# Altium PCB novena_evt1_a.PcbDoc (part 1 of 12) (continued)
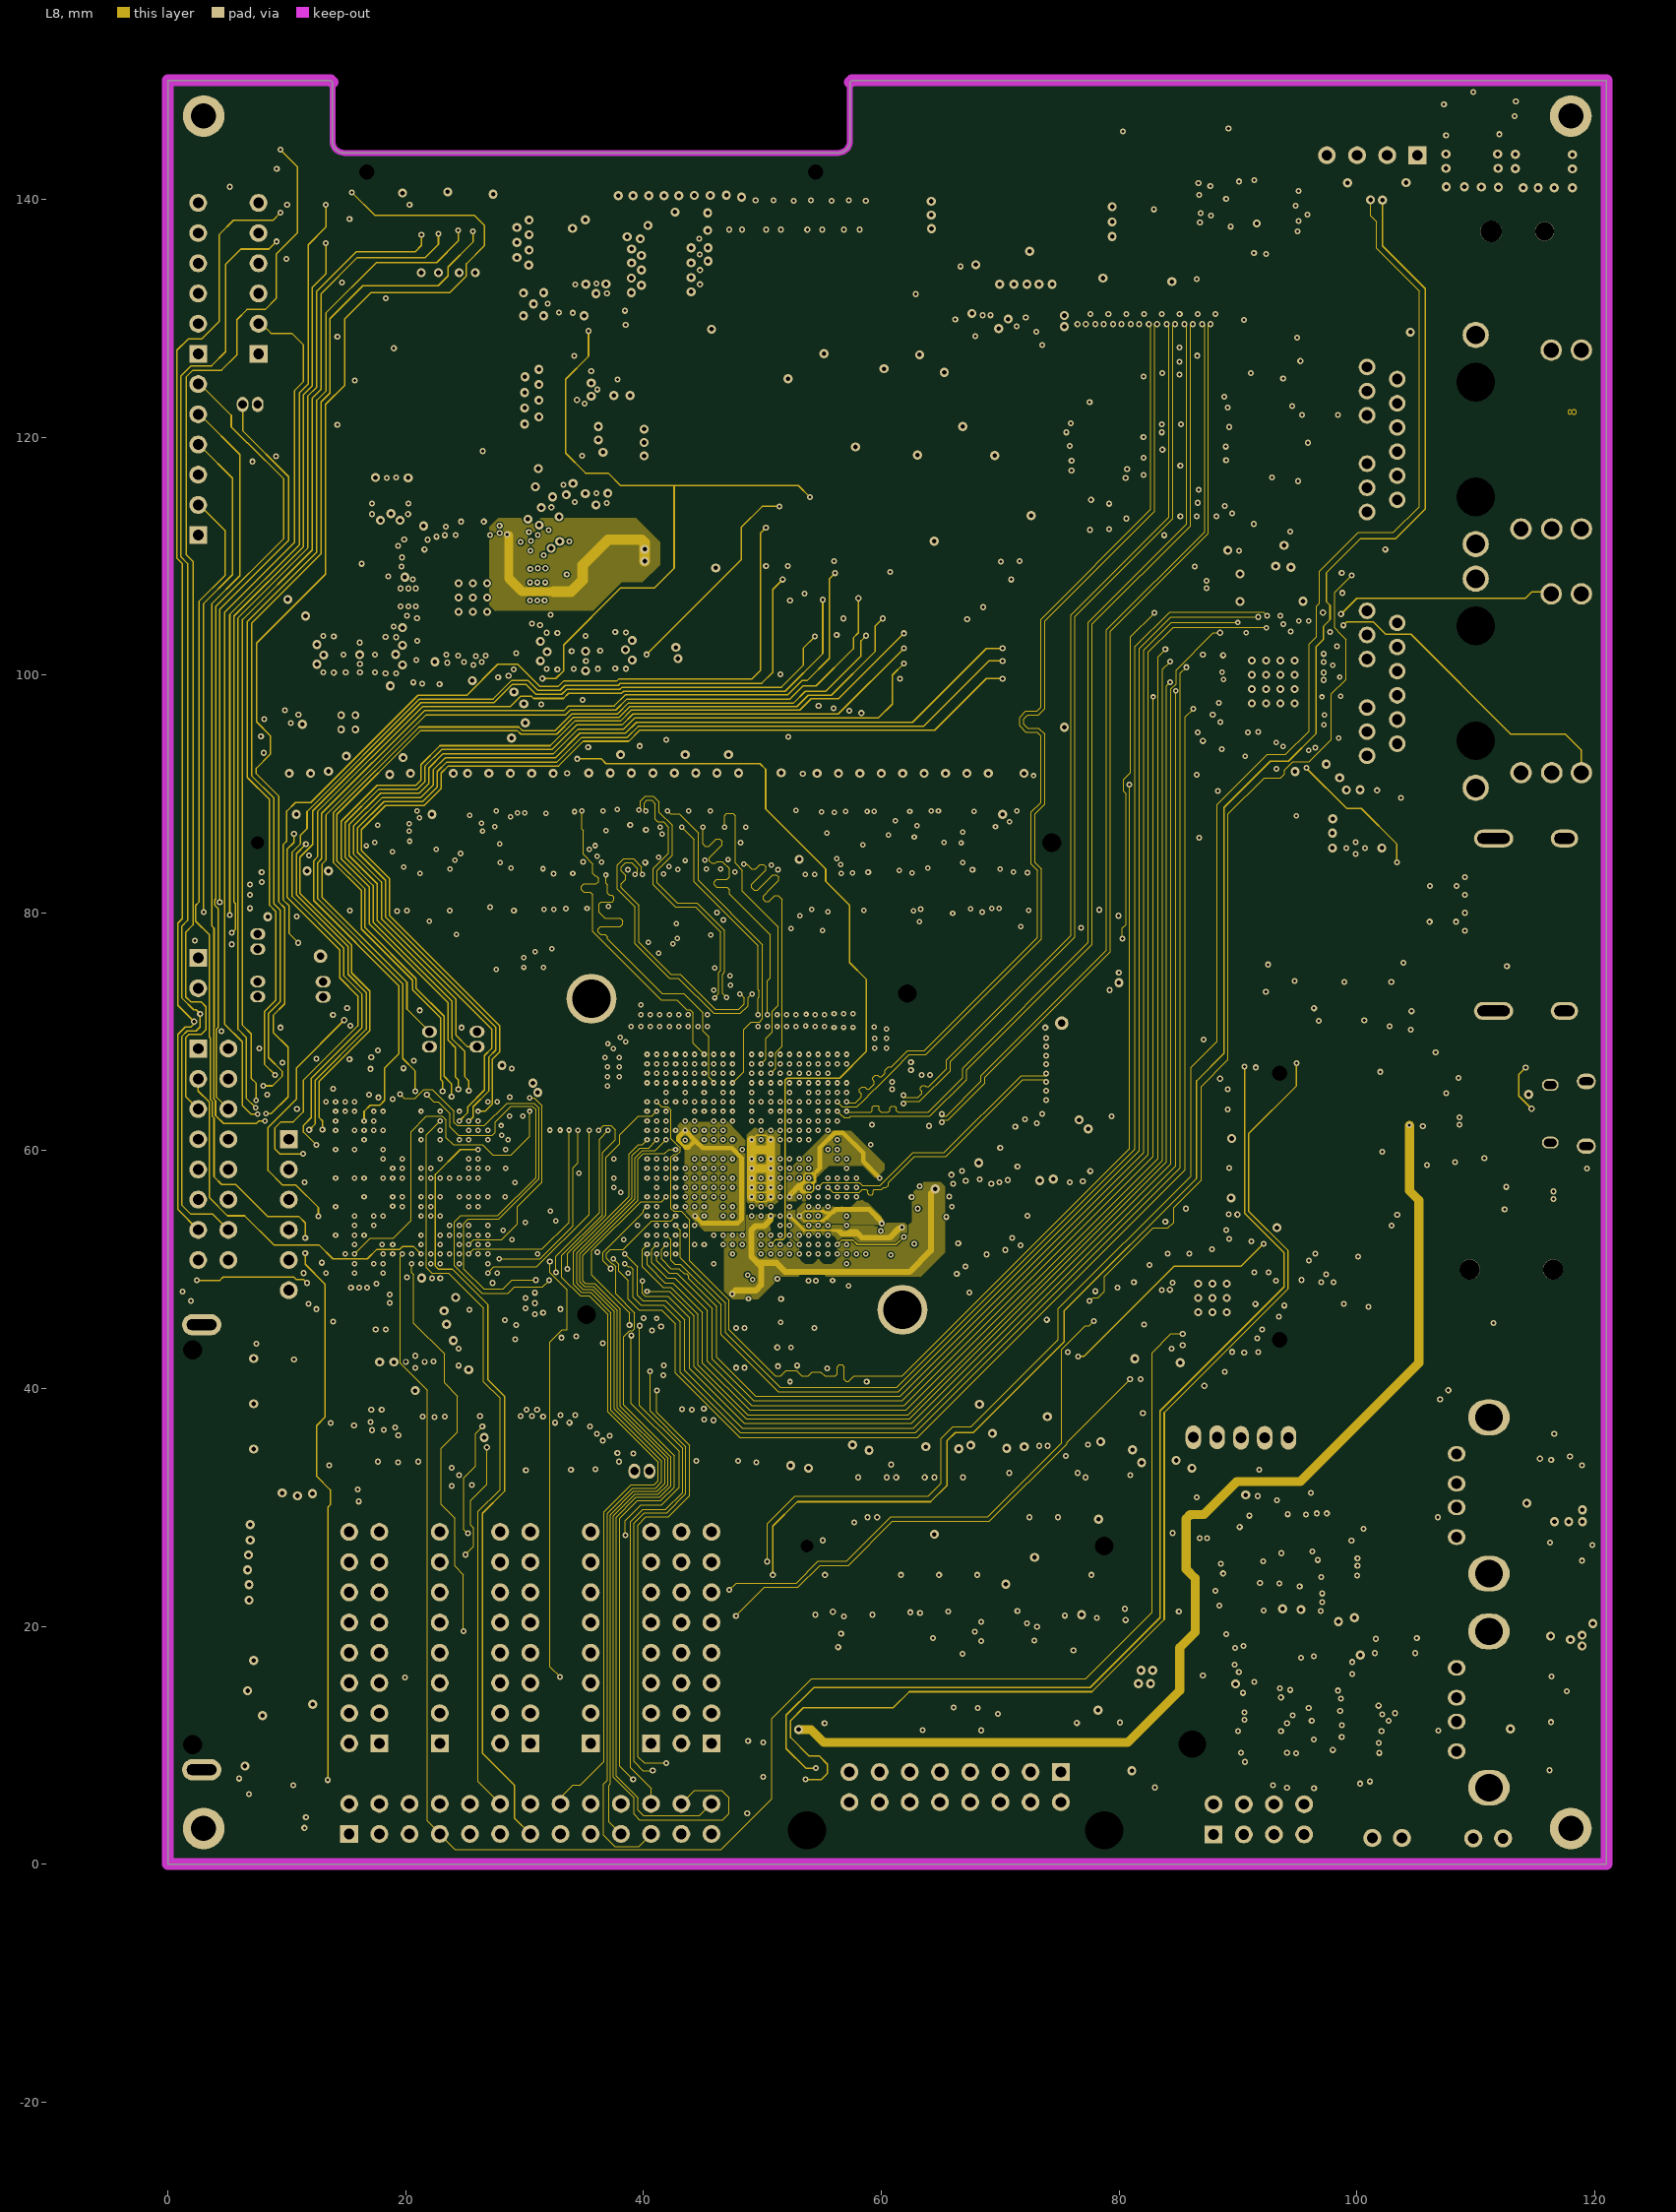
[diagram p8: L8]
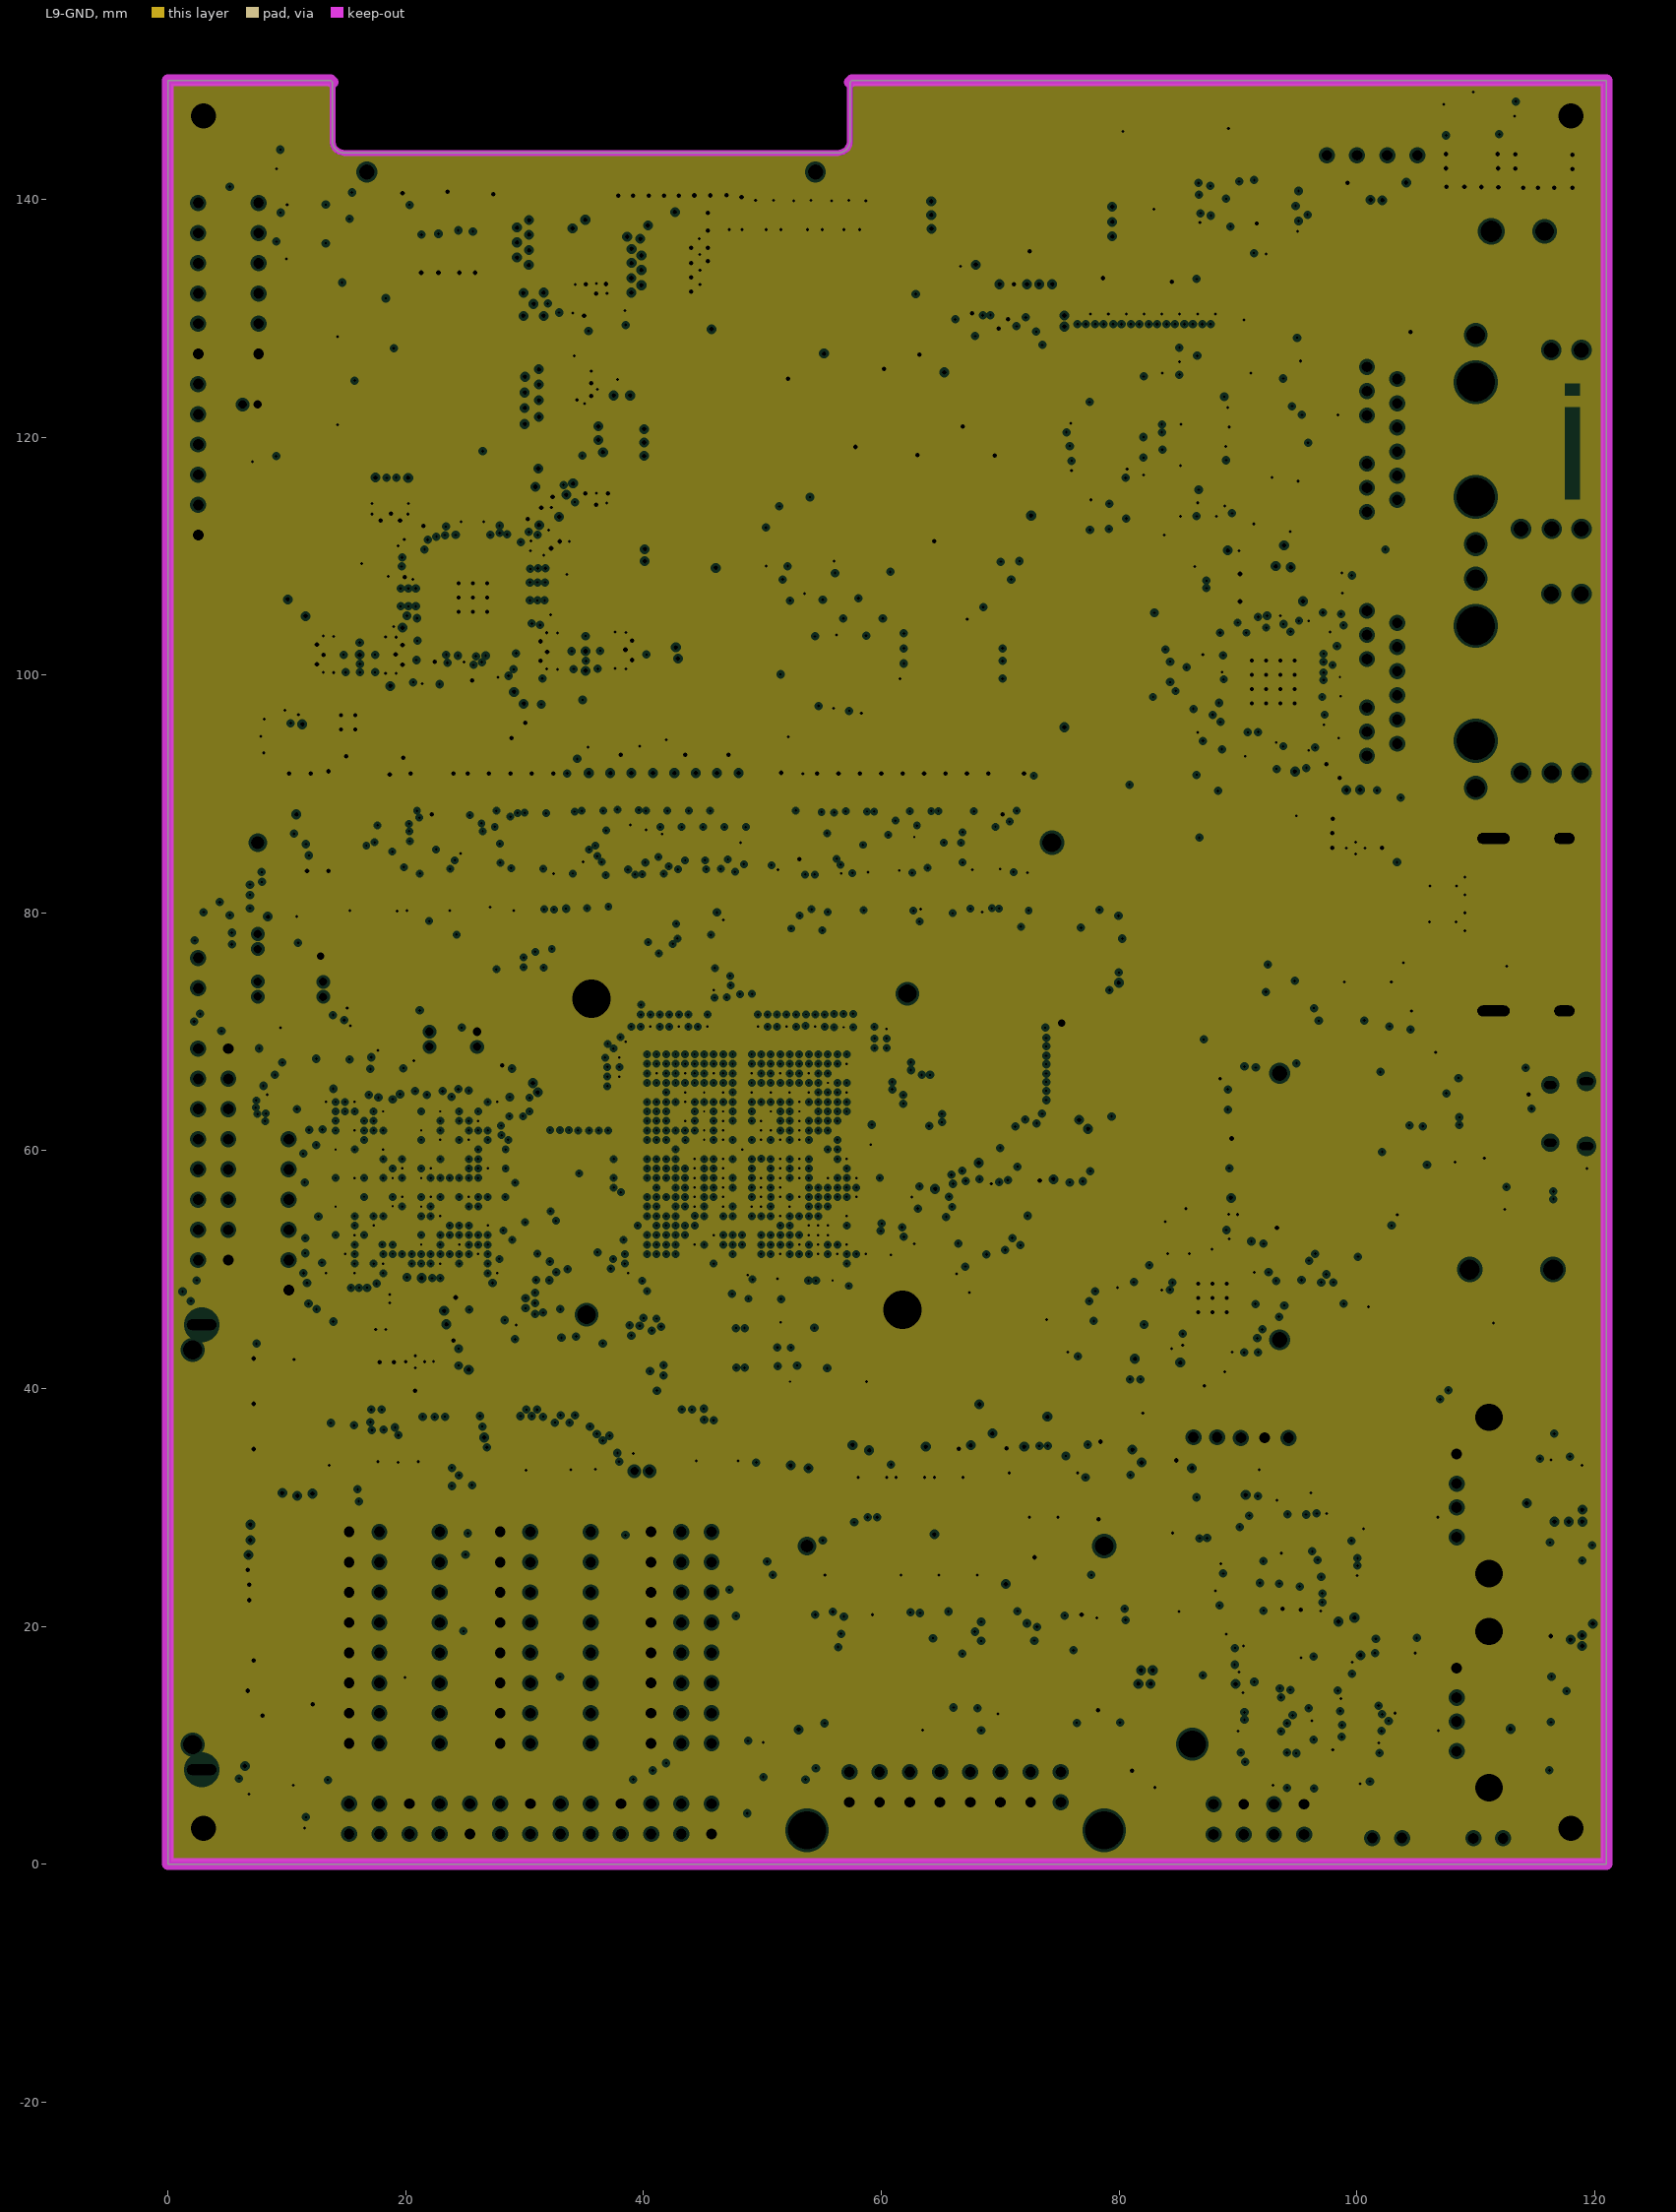
[diagram p9: L9-GND, clearances drawn from the general rule]

## Layer stack, top to bottom
Top: signal copper 0.0432
Dielectric: prepreg 0.066, NP-175, Dk 3.9
L2-GND: plane copper 0.0356, net GND
Dielectric: core 0.0762, NP-175, Dk 3.9
L3: signal copper 0.0178
Dielectric: prepreg 0.193, NP-175, Dk 3.9
L4: signal copper 0.0178
Dielectric: core 0.0762, NP-175, Dk 3.9
L5-PWR: plane copper 0.0356, net (Multiple Nets)
Dielectric: prepreg 0.4978, NP-175, Dk 3.9
L6-PWR: plane copper 0.0356, net (Multiple Nets)
Dielectric: core 0.0762, NP-175, Dk 3.9
L7: signal copper 0.0178
Dielectric: prepreg 0.193, NP-175, Dk 3.9
L8: signal copper 0.0178
Dielectric: core 0.0762, NP-175, Dk 3.9
L9-GND: plane copper 0.0356, net GND
Dielectric: prepreg 0.066, NP-175, Dk 3.9
Bot: signal copper 0.0432

## Board outline
0,0 0,150 13.685,150 13.835,149.85 13.835,144.9 ccw(c14.835,144.9) 14.835,143.9 56.365,143.9 ccw(c56.365,144.9) 57.365,144.9 57.365,149.85 57.515,150 121,150 121,0

## Design rules (kind name [scope] priority, off if disabled: settings)
AssemblyTestPointUsage [All] p1 off:
AssemblyTestpoint [All] p1 off: testpointundercomponent=TRUE minsize=1.016 maxsize=2.54 preferedsize=1.524 minholesize=0 maxholesize=1.016 preferedholesize=0.813 testpointgrid=0.025 usegrid=TRUE gridtolerance=0 allowsidetop=TRUE allowsidebottom=TRUE
Clearance poly_diffpair [InPoly vs InDifferentialPairClass('All Differential Pairs')] p1: gap=0.635
Clearance poly_ddr3 [InPoly vs IsTrack and (InNetClass('DDR_CTL') or InNetClass('DDR_CLK0') or InNetClass('DDR_CLK1') or InNetClass('DDR_D0') or InNetClass('DDR_D1') or InNetClass('DDR_D2') or InNetClass('DDR_D3') or InNetClass('DDR_D4') or InNetClass('DDR_D5') or InNetClass('DDR_D6') or InNetClass('DDR_D7')) and not (InDifferentialPairClass('All Differential Pairs')) and not (WithinRoom('03cpu_sodimm'))] p2: gap=0.635
Clearance Clearance_keepout [OnLayer('Keep-Out Layer') vs HasPad('P10U-0') or HasPad('J12A-4')] p3: gap=0
Clearance Clearance_polygons [InPoly and not (OnLayer('L8') or OnLayer('L4') or OnLayer('L3'))] p4: gap=0.152
Clearance Clearance_NPTH [PadIsPlated = 'False'] p5: gap=0.305
Clearance Clearance_DDR3 [IsTrack and (InNetClass('DDR_CTL') or InNetClass('DDR_CLK0') or InNetClass('DDR_CLK1') or InNetClass('DDR_D0') or InNetClass('DDR_D1') or InNetClass('DDR_D2') or InNetClass('DDR_D3') or InNetClass('DDR_D4') or InNetClass('DDR_D5') or InNetClass('DDR_D6') or InNetClass('DDR_D7')) and not (InDifferentialPairClass('All Differential Pairs')) and not (WithinRoom('03cpu_sodimm')) vs IsTrack and (InNetClass('DDR_CTL') or InNetClass('DDR_CLK0') or InNetClass('DDR_CLK1') or InNetClass('DDR_D0') or InNetClass('DDR_D1') or InNetClass('DDR_D2') or InNetClass('DDR_D3') or InNetClass('DDR_D4') or InNetClass('DDR_D5') or InNetClass('DDR_D6') or InNetClass('DDR_D7')) and not (InDifferentialPairClass('All Differential Pairs'))] p6: gap=0.2
Clearance [All] p7: gap=0.102
ComponentClearance [All] p1 off: gap=0.254 collisioncheckmode=3 verticalgap=0.254 showdistances=FALSE
DiffPairsRouting DiffPairsRouting_USB [All] p1 off: maxlimit=0.14 minlimit=0.133 mostfreqgap=0.14 toplayer_maxgap=0.133 toplayer_prefgap=0.133 midlayer2_mingap=0.14 midlayer3_mingap=0.14 midlayer10_mingap=0.14 midlayer11_mingap=0.14 bottomlayer_maxgap=0.133 bottomlayer_prefgap=0.133 maxuncoupledlength=12.7
DiffPairsRouting [All] p2: maxlimit=0.241 minlimit=0.222 mostfreqgap=0.241 toplayer_maxgap=0.222 toplayer_prefgap=0.222 midlayer2_mingap=0.241 midlayer3_mingap=0.241 midlayer10_mingap=0.241 midlayer11_mingap=0.241 bottomlayer_maxgap=0.222 bottomlayer_prefgap=0.222 maxuncoupledlength=12.7
FabricationTestPointUsage [All] p1 off: valid=0 allowmultiple=FALSE
FabricationTestpoint [All] p1 off: side=3 testpointundercomponent=TRUE minsize=1.016 maxsize=2.54 preferedsize=1.524 minholesize=0 maxholesize=1.016 preferedholesize=0.813 testpointgrid=0.025 allowsidetop=TRUE allowsidebottom=TRUE usegrid=TRUE gridtolerance=0
Height [All] p1 off: minheight=0 maxheight=25.4 prefheight=12.7
HoleSize [All] p1: absolutevalues=TRUE maxlimit=3.302 minlimit=0.025 maxpercent=80.000 minpercent=20.000
Length Length-RGMII [InNetClass('RGM_CLK')] p1: maxlimit=114.808 minlimit=109.728
Length Length-DDR_CTL [InNetClass('DDR_CTL')] p2: maxlimit=32.334 minlimit=27.254
Length Length-DDR_D7 [InNetClass('DDR_D7')] p3: maxlimit=41.885 minlimit=40.615
Length Length-DDR_D6 [InNetClass('DDR_D6')] p4: maxlimit=37.236 minlimit=35.966
Length Length-DDR_D5 [InNetClass('DDR_D5')] p5: maxlimit=41.326 minlimit=40.056
Length Length-DDR_D4 [InNetClass('DDR_D4')] p6: maxlimit=39.624 minlimit=38.354
Length Length-DDR_D3 [InNetClass('DDR_D3')] p7: maxlimit=32.055 minlimit=30.785
Length Length-DDR_D2 [InNetClass('DDR_D2')] p8: maxlimit=32.055 minlimit=30.785
Length Length-DDR_D1 [InNetClass('DDR_D1')] p9: maxlimit=36.703 minlimit=35.433
Length Length-DDR_D0 [InNetClass('DDR_D0')] p10: maxlimit=33.274 minlimit=32.004
MatchedLengths "Schematic Matched Net Lengths_3" [InNet('TX0_TMDS3_N')] p1: tolerance=1.016 checknetsindiffpair=FALSE checkdiffpairvsdiffpair=FALSE checkothers=TRUE
MatchedLengths "Schematic Matched Net Lengths_2" [InNet('TX0_TMDS2_P')] p2: tolerance=1.016 checknetsindiffpair=FALSE checkdiffpairvsdiffpair=FALSE checkothers=TRUE
MatchedLengths "Schematic Matched Net Lengths_1" [InNet('TX0_TMDS3_N')] p3: tolerance=0.051 checknetsindiffpair=TRUE checkdiffpairvsdiffpair=TRUE checkothers=FALSE
MatchedLengths "Schematic Matched Net Lengths" [InNet('TX0_TMDS2_P')] p4: tolerance=0.051 checknetsindiffpair=TRUE checkdiffpairvsdiffpair=TRUE checkothers=FALSE
MinimumSolderMaskSliver [All] p1 off: minsoldermaskwidth=0.254
PlaneClearance [All] p1: clearance=0.229
PlaneConnect [All] p1: planeconnectstyle=Direct reliefexpansion=0.508 reliefentries=4 reliefconductorwidth=0.254 reliefairgap=0.254
PolygonConnect [OnLayer('Top') or OnLayer('Bot')] p1: connectstyle=Relief reliefconductorwidth=0.508 reliefentries=4 polygonreliefangle="90 Angle" airgapwidth=0.254
PolygonConnect PolygonConnect_others [All] p2: connectstyle=Direct reliefconductorwidth=0.254 reliefentries=4 polygonreliefangle="90 Angle" airgapwidth=0.254
RoomDefinition 16gpio_misc [InComponentClass('16gpio_misc')] p1 off: confinementstyle=ConfineIn formatcopy=TRUE lockcomponents=FALSE outline -58.7,127 -68.6,127 -68.6,116.2 -58.7,116.2
RoomDefinition 15fpga [InComponentClass('15fpga')] p2 off: confinementstyle=ConfineIn formatcopy=TRUE lockcomponents=FALSE outline -57.3,135.5 -37.75,135.5 -37.75,117.9 -57.3,117.9
RoomDefinition 14audio [InComponentClass('14audio')] p3 off: confinementstyle=ConfineIn formatcopy=TRUE lockcomponents=FALSE outline -59,132.1 -76.6,132.1 -76.6,121.3 -59,121.3
RoomDefinition 13hdmi_lcd [InComponentClass('13hdmi_lcd')] p4 off: confinementstyle=ConfineIn formatcopy=TRUE lockcomponents=FALSE outline -64.7,117.9 -74.9,117.9 -74.9,111.1 -64.7,111.1
RoomDefinition 12mPCIe [InComponentClass('12mPCIe')] p5 off: confinementstyle=ConfineIn formatcopy=TRUE lockcomponents=FALSE outline -53.9,136.1 -42.675,136.1 -42.675,103.7 -53.9,103.7
RoomDefinition 11ethernetGbit [InComponentClass('11ethernetGbit')] p6 off: confinementstyle=ConfineIn formatcopy=TRUE lockcomponents=FALSE outline -67.5,136.1 -60.7,136.1 -60.7,119 -67.5,119
RoomDefinition 10ethernet100 [InComponentClass('10ethernet100')] p7 off: confinementstyle=ConfineIn formatcopy=TRUE lockcomponents=FALSE outline -52.7,115.6 -61.2,115.6 -61.2,95.2 -52.7,95.2
RoomDefinition 09sata [InComponentClass('09sata')] p8 off: confinementstyle=ConfineIn formatcopy=TRUE lockcomponents=FALSE outline -52.2,144 -68.1,144 -68.1,120.2 -52.2,120.2
RoomDefinition 08usb [InComponentClass('08usb')] p9 off: confinementstyle=ConfineIn formatcopy=TRUE lockcomponents=FALSE outline -55,142.9 -74.3,142.9 -74.3,138.3 -55,138.3
RoomDefinition 07sdcard [InComponentClass('07sdcard')] p10 off: confinementstyle=ConfineIn formatcopy=TRUE lockcomponents=FALSE outline -67.2,128.1 -60.7,128.1 -60.7,118.5 -67.2,118.5
RoomDefinition 06cpu_soc [InComponentClass('06cpu_soc')] p11 off: confinementstyle=ConfineIn formatcopy=TRUE lockcomponents=FALSE outline -63.5,141.2 -63.5,129.8
RoomDefinition 05pwr_input [InComponentClass('05pwr_input')] p12 off: confinementstyle=ConfineIn formatcopy=TRUE lockcomponents=FALSE outline -64.1,104.169 -73.2,104.169 -73.2,92.9 -64.1,92.9
RoomDefinition 04pwr_pmic [InComponentClass('04pwr_pmic')] p13 off: confinementstyle=ConfineIn formatcopy=TRUE lockcomponents=FALSE outline -64.2,90.707 -70.8,90.707 -70.8,102.899 -64.2,102.899
RoomDefinition 03cpu_sodimm [InComponentClass('03cpu_sodimm')] p14 off: confinementstyle=ConfineIn formatcopy=TRUE lockcomponents=FALSE outline 36.3,47.45 61.625,47.45 61.625,73.525 36.3,73.525
RoomDefinition 02cpu_power [InComponentClass('02cpu_power')] p15 off: confinementstyle=ConfineIn formatcopy=TRUE lockcomponents=FALSE outline -69.6,-1.876 -77.4,-1.876 -77.4,5.744 -69.6,5.744
RoutingLayers [All] p1: top layer_v5=TRUE mid layer 2_v5=TRUE mid layer 3_v5=TRUE mid layer 10_v5=FALSE mid layer 11_v5=FALSE bottom layer_v5=TRUE
RoutingVias [All] p1: holewidth=0.508 width=0.254 viastyle="Through Hole" minholewidth=0.203 minwidth=0.457 maxholewidth=0.381 maxwidth=0.762
SilkToSilkClearance [All] p1 off: silktosilkclearance=0.254
SilkscreenOverComponentPads [All] p1 off: minsilkscreentomaskgap=0.254
SolderMaskExpansion [All] p1: expansion=0.07
Width Width_Z0 [InNetClass('DDR_CTL') or InNetClass('DDR_D0') or InNetClass('DDR_D1') or InNetClass('DDR_D2') or InNetClass('DDR_D3') or InNetClass('DDR_D4') or InNetClass('DDR_D5') or InNetClass('DDR_D6') or InNetClass('DDR_D7') or InNetClass('RGM_CLK') or InNetClass('AUD_CLK') or InNetClass('CCLK')] p1: maxlimit=0.096 minlimit=0.096 preferedwidth=0.096 minimp=50.000000 maximp=50.000000 favimp=50.000000
Width Width_USB [InNetClass('USB_NETS')] p2: maxlimit=0.101 minlimit=0.095 preferedwidth=0.101 toplayer_maxwidth=0.095 toplayer_prefwidth=0.095 midlayer2_minwidth=0.101 midlayer3_minwidth=0.101 midlayer10_minwidth=0.101 midlayer11_minwidth=0.101 bottomlayer_maxwidth=0.095 bottomlayer_prefwidth=0.095 minimp=50.000000 maximp=50.000000 favimp=50.000000
Width Width_diffpair [(InDifferentialPairClass('All Differential Pairs'))] p3: maxlimit=0.089 minlimit=0.083 preferedwidth=0.089 toplayer_maxwidth=0.083 toplayer_prefwidth=0.083 midlayer2_minwidth=0.089 midlayer3_minwidth=0.089 midlayer10_minwidth=0.089 midlayer11_minwidth=0.089 bottomlayer_maxwidth=0.083 bottomlayer_prefwidth=0.083 minimp=50.000000 maximp=50.000000 favimp=50.000000
Width [not (InDifferentialPairClass('All Differential Pairs'))] p4: maxlimit=4 minlimit=0.102 preferedwidth=0.127 minimp=50.000000 maximp=50.000000 favimp=50.000000
14 further rules are at their usual default settings.

## Classes and differential pairs
component class 02cpu_power: C10C C11C C12C C13C C14C C15C C16C C17C C18C C19C C20C C21C C22C C23C C24C C25C C26C C27C C28C C29C C30C C31C C32C C33C C34C C35C C36C C37C C38C C39C C40C C41C C42C C43C C44C C45C C46C C47C C48C C49C C50C C51C C52C C53C C54C C55C C56C C57C C58C C59C C60C C61C C62C C63C C64C C65C C66C C67C C68C C69C C70C C71C C72C C73C C74C C75C C76C C77C C78C C79C C80C C81C C82C C84C C85C C86C C87C C88C C89C C90C C91C C92C C93C D10C J10C J11C J12C
component class 03cpu_sodimm: C10M C11M C12M C13M C14M C15M C16M C17M C18M C19M C20M C21M C22M C23M C24M C25M C26M C27M C28M C29M C30M C31M C32M C33M C34M C35M C36M C37M C38M C39M C40M C41M C42M C43M C44M C45M C46M C47M C48M C49M C50M C51M C52M C53M C54M C55M C56M JP10M R10M R11M R12M R13M R14M R15M R16M U10M
component class 04pwr_pmic: BT10P C10P C11P C12P C13P C14P C15P C16P C17P C18P C19P C20P C21P C22P C23P C24P C25P C26P C27P C28P C29P C30P C31P C32P C33P C34P C35P C36P C37P C38P C39P C40P C41P C42P C43P C44P C45P C46P C47P C48P C49P C50P C51P C52P C53P C54P C55P C56P C57P C58P C59P C60P D10P D11P J10P L10P L11P L12P L13P L14P L15P R10P R11P R12P R13P R14P R15P R16P R17P R18P R19P U200
component class 05pwr_input: C10N C11N C12N C13N C14N C15N C16N C17N C18N C19N C20N C21N C22N C23N C24N C25N C26N C27N C28N C29N C30N C31N C32N D10N D11N D12N D13N D14N D15N D16N J10N JP10N L10N L11N M10N M11N M12N M13N Q10N Q11N Q12N Q13N R10N R11N R12N R13N R14N R15N R16N R17N R18N R19N R20N R21N R22N R23N R24N R25N R26N R27N R28N R29N R30N R32N R33N R34N R35N R36N R37N R38N U10N U11N U12N U13N
component class 06cpu_soc: C10B C11B C12B C13B C14B P10B P_EXT P_FUSE P_SATA P_TAMPER P_USB Q10B Q11B Q12B Q13B R13B R14B R15B R16B R17B R18B R19B R20B R22B R23B R25B R26B R27B R28B R29B R32B R33B R34B R35B R36B R37B R38B R39B R40B R41B R42B R43B R44B R45B R46B R47B R48B R49B R50B R51B R52B R53B R54B R55B R56B R57B SW10B SW11B U100 Y10B Y11B
component class 07sdcard: C10S C11S C12S C13S C14S J10S JP10S NT10S NT11S Q10S Q11S Q12S R10S R11S R12S R13S R14S R16S R17S R18S R19S SW10S U10S
component class 08usb: C10U C11U C12U C13U C14U C15U C16U C17U C18U C19U C20U C21U C22U C23U C24U C25U C26U C27U C28U C29U C30U C31U C32U C33U C34U C36U C37U C38U C39U C40U C41U C42U C43U C44U C45U C46U C47U C48U C49U C50U C51U C52U C53U C54U C55U C56U D10U D11U D12U D13U D14U D15U D16U D17U L10U L11U L12U L13U L14U L15U P10U P11U P12U P13U P14U R10U R11U R12U R13U R14U R15U R16U R17U R18U R19U R20U R21U R22U R23U R24U R25U R26U R27U R28U R29U R30U R31U R32U R33U R34U R35U R36U R37U R38U R39U R40U R41U R42U U10U U11U U12U U13U U14U U15U U16U Y10U Y11U
component class 09sata: C10H C11H C12H C13H C14H C15H C16H C17H C18H C19H C20H C21H D10H J10H Q10H Q11H Q12H R10H R11H R12H R13H R14H R15H
component class 10ethernet100: C10E C11E C12E C13E C14E C15E C16E C17E C18E C19E C20E C21E C22E C23E C24E C25E C26E C27E C28E C29E C30E C31E C32E C33E C34E C35E C36E C37E C38E C39E J10E J11E J12E JP10E L10E L11E R10E R11E R12E R13E R14E R15E R16E R17E R18E R19E R20E R21E R22E R23E R24E R25E R26E R27E R28E R29E U10E U11E Y10E
component class 11ethernetGbit: C10G C11G C12G C13G C14G C15G C16G C17G C18G C19G C20G C21G C22G C23G C24G C25G C26G C27G C28G C29G C30G C31G C32G C33G C34G C35G C36G C37G C39G C40G D10G D11G D12G JP10G L10G L11G L12G R10G R11G R12G R13G R14G R15G R16G R17G R18G R19G R20G R21G U10G U11G Y10G
component class 12mPCIe: C10X C11X C12X C13X C14X C15X C16X C17X C18X C19X C20X C21X C22X C23X C24X C25X C26X C27X C28X D10X D11X D12X J10X JP10X L10X NT10X NT11X NT12X Q10X Q11X Q12X R10X R11X R12X R13X R14X R15X R16X R17X R18X R19X R20X R21X R22X R23X U10X
component class 13hdmi_lcd: C10L C11L C12L C13L C14L C15L C16L C17L C18L C19L C20L C21L C22L C23L D10L D11L D12L D13L F10L J10L JP10L Q10L Q11L Q12L Q13L Q14L Q15L Q16L Q17L Q18L R10L R11L R12L R13L R14L R15L R16L R17L R18L R19L R20L R21L R22L R23L R24L R25L R26L R27L R28L R29L R30L R31L R32L U10L
component class 14audio: C10A C11A C12A C13A C14A C15A C16A C17A C18A C19A C20A C21A C22A C23A C24A C25A C26A C27A C28A C29A C30A C31A C32A C33A C34A C35A C36A C37A C38A C39A C40A C41A D10A D11A D12A D13A D14A J12A L10A L11A L12A L13A P10A P11A P12A Q10A Q11A Q12A R10A R10B R11A R11B R12A R13A R14A R15A R16A R17A R18A R19A R20A R21A R22A R23A R24A R25A R26A R27A R28A R29A R31A R32A R34A U10A U11A U12A U13A
component class 15fpga: C10F C11F C12F C13F C14F C15F C16F C17F C18F C19F C20F C21F C22F C23F C24F C25F C26F C27F C28F C29F C30F C31F C32F C33F C34F C35F C36F C37F C38F C39F C40F C41F C42F C43F C44F C45F C46F C47F C48F C49F C50F C51F C52F C53F C54F C55F C56F C57F C58F C59F C60F C61F C62F C63F C64F C65F C66F C67F C68F C69F C70F C71F C72F C73F C74F C75F D10F D11F D12F D13F D14F D15F D16F D17F D18F D19F D20F D21F L10F P10F P11F P12F P13F P14F P15F P16F P_LI2C_WP P_LSPI_WP P_PWM Q10F R10F R11F R12F R13F R14F R15F R16F R17F R18F R19F R20F R21F R22F R23F R24F R25F R26F R27F R28F R29F R30F RP10F RP11F RP12F RP13F RP14F RP15F U10F U11F U12F U13F U14F U15F U800
component class 16gpio_misc: C10D C11D C12D C13D C14D C15D C16D C17D C18D C19D D10D D11D D12D D13D D14D J10D J11D J12D J13D J14D J15D P10D P11D P12D P13D P14D P15D P16D R10D R11D R12D R13D R14D R15D R16D R17D R18D R19D R20D U10D U11D
net class AUD_CLK: AUD_CLK AUD_MCLK AUD_MCLK_T AUD_MCLK_T_SDL AUD_MIC_CLK RGMII_REFCLK_T
net class DDR_D0: DDR3_D0 DDR3_D1 DDR3_D2 DDR3_D3 DDR3_D4 DDR3_D5 DDR3_D6 DDR3_D7 DDR3_DM0
net class DDR_D1: DDR3_D8 DDR3_D9 DDR3_D10 DDR3_D11 DDR3_D12 DDR3_D13 DDR3_D14 DDR3_D15 DDR3_DM1
net class DDR_D2: DDR3_D16 DDR3_D17 DDR3_D18 DDR3_D19 DDR3_D20 DDR3_D21 DDR3_D22 DDR3_D23 DDR3_DM2
net class DDR_D3: DDR3_D24 DDR3_D25 DDR3_D26 DDR3_D27 DDR3_D28 DDR3_D29 DDR3_D30 DDR3_D31 DDR3_DM3
net class DDR_D4: DDR3_D32 DDR3_D33 DDR3_D34 DDR3_D35 DDR3_D36 DDR3_D37 DDR3_D38 DDR3_D39 DDR3_DM4
net class DDR_D5: DDR3_D40 DDR3_D41 DDR3_D42 DDR3_D43 DDR3_D44 DDR3_D45 DDR3_D46 DDR3_D47 DDR3_DM5
net class DDR_D6: DDR3_D48 DDR3_D49 DDR3_D50 DDR3_D51 DDR3_D52 DDR3_D53 DDR3_D54 DDR3_D55 DDR3_DM6
net class DDR_D7: DDR3_D56 DDR3_D57 DDR3_D58 DDR3_D59 DDR3_D60 DDR3_D61 DDR3_D62 DDR3_D63 DDR3_DM7
net class HDMI_TX: TX0_TMDS0_N TX0_TMDS0_P TX0_TMDS1_N TX0_TMDS1_P TX0_TMDS2_N TX0_TMDS2_P TX0_TMDS3_N TX0_TMDS3_P
net class PCIE_CLK: PCIE_REFCLK_N PCIE_REFCLK_P
net class PCIE_CLKX: PCIE_REFCLKX_N PCIE_REFCLKX_P
net class PCIE_DAT: PCIE_RX_N PCIE_RX_P PCIE_TX_N PCIE_TX_P
net class PCIE_DATX: PCIE_RXX_N PCIE_RXX_P PCIE_TXX_N PCIE_TXX_P
net class SATA_NETS: SATA_RX_N SATA_RX_P SATA_TX_N SATA_TX_P SATAC_RX_N SATAC_RX_P SATAC_TX_N SATAC_TX_P
net class USB_NETS: USB_ETH_N USB_ETH_P USB_ETHI_N USB_ETHI_P USB_EXT1_N USB_EXT1_P USB_EXT1F_N USB_EXT1F_P USB_EXT2_N USB_EXT2_P USB_EXT2F_N USB_EXT2F_P USB_H1_D_N USB_H1_D_P USB_INT_N USB_INT_P USB_KBD_N USB_KBD_P USB_MOUSE_N USB_MOUSE_P USB_OPT_N USB_OPT_P USB_OTG_N USB_OTG_P USB_PCI_N USB_PCI_P USB_VID_N USB_VID_P